# Allegro board RK_NVR_DEMO1_RK3588_LP4XD200P232SD8_V21_20211228_final_lint.brd (continued)
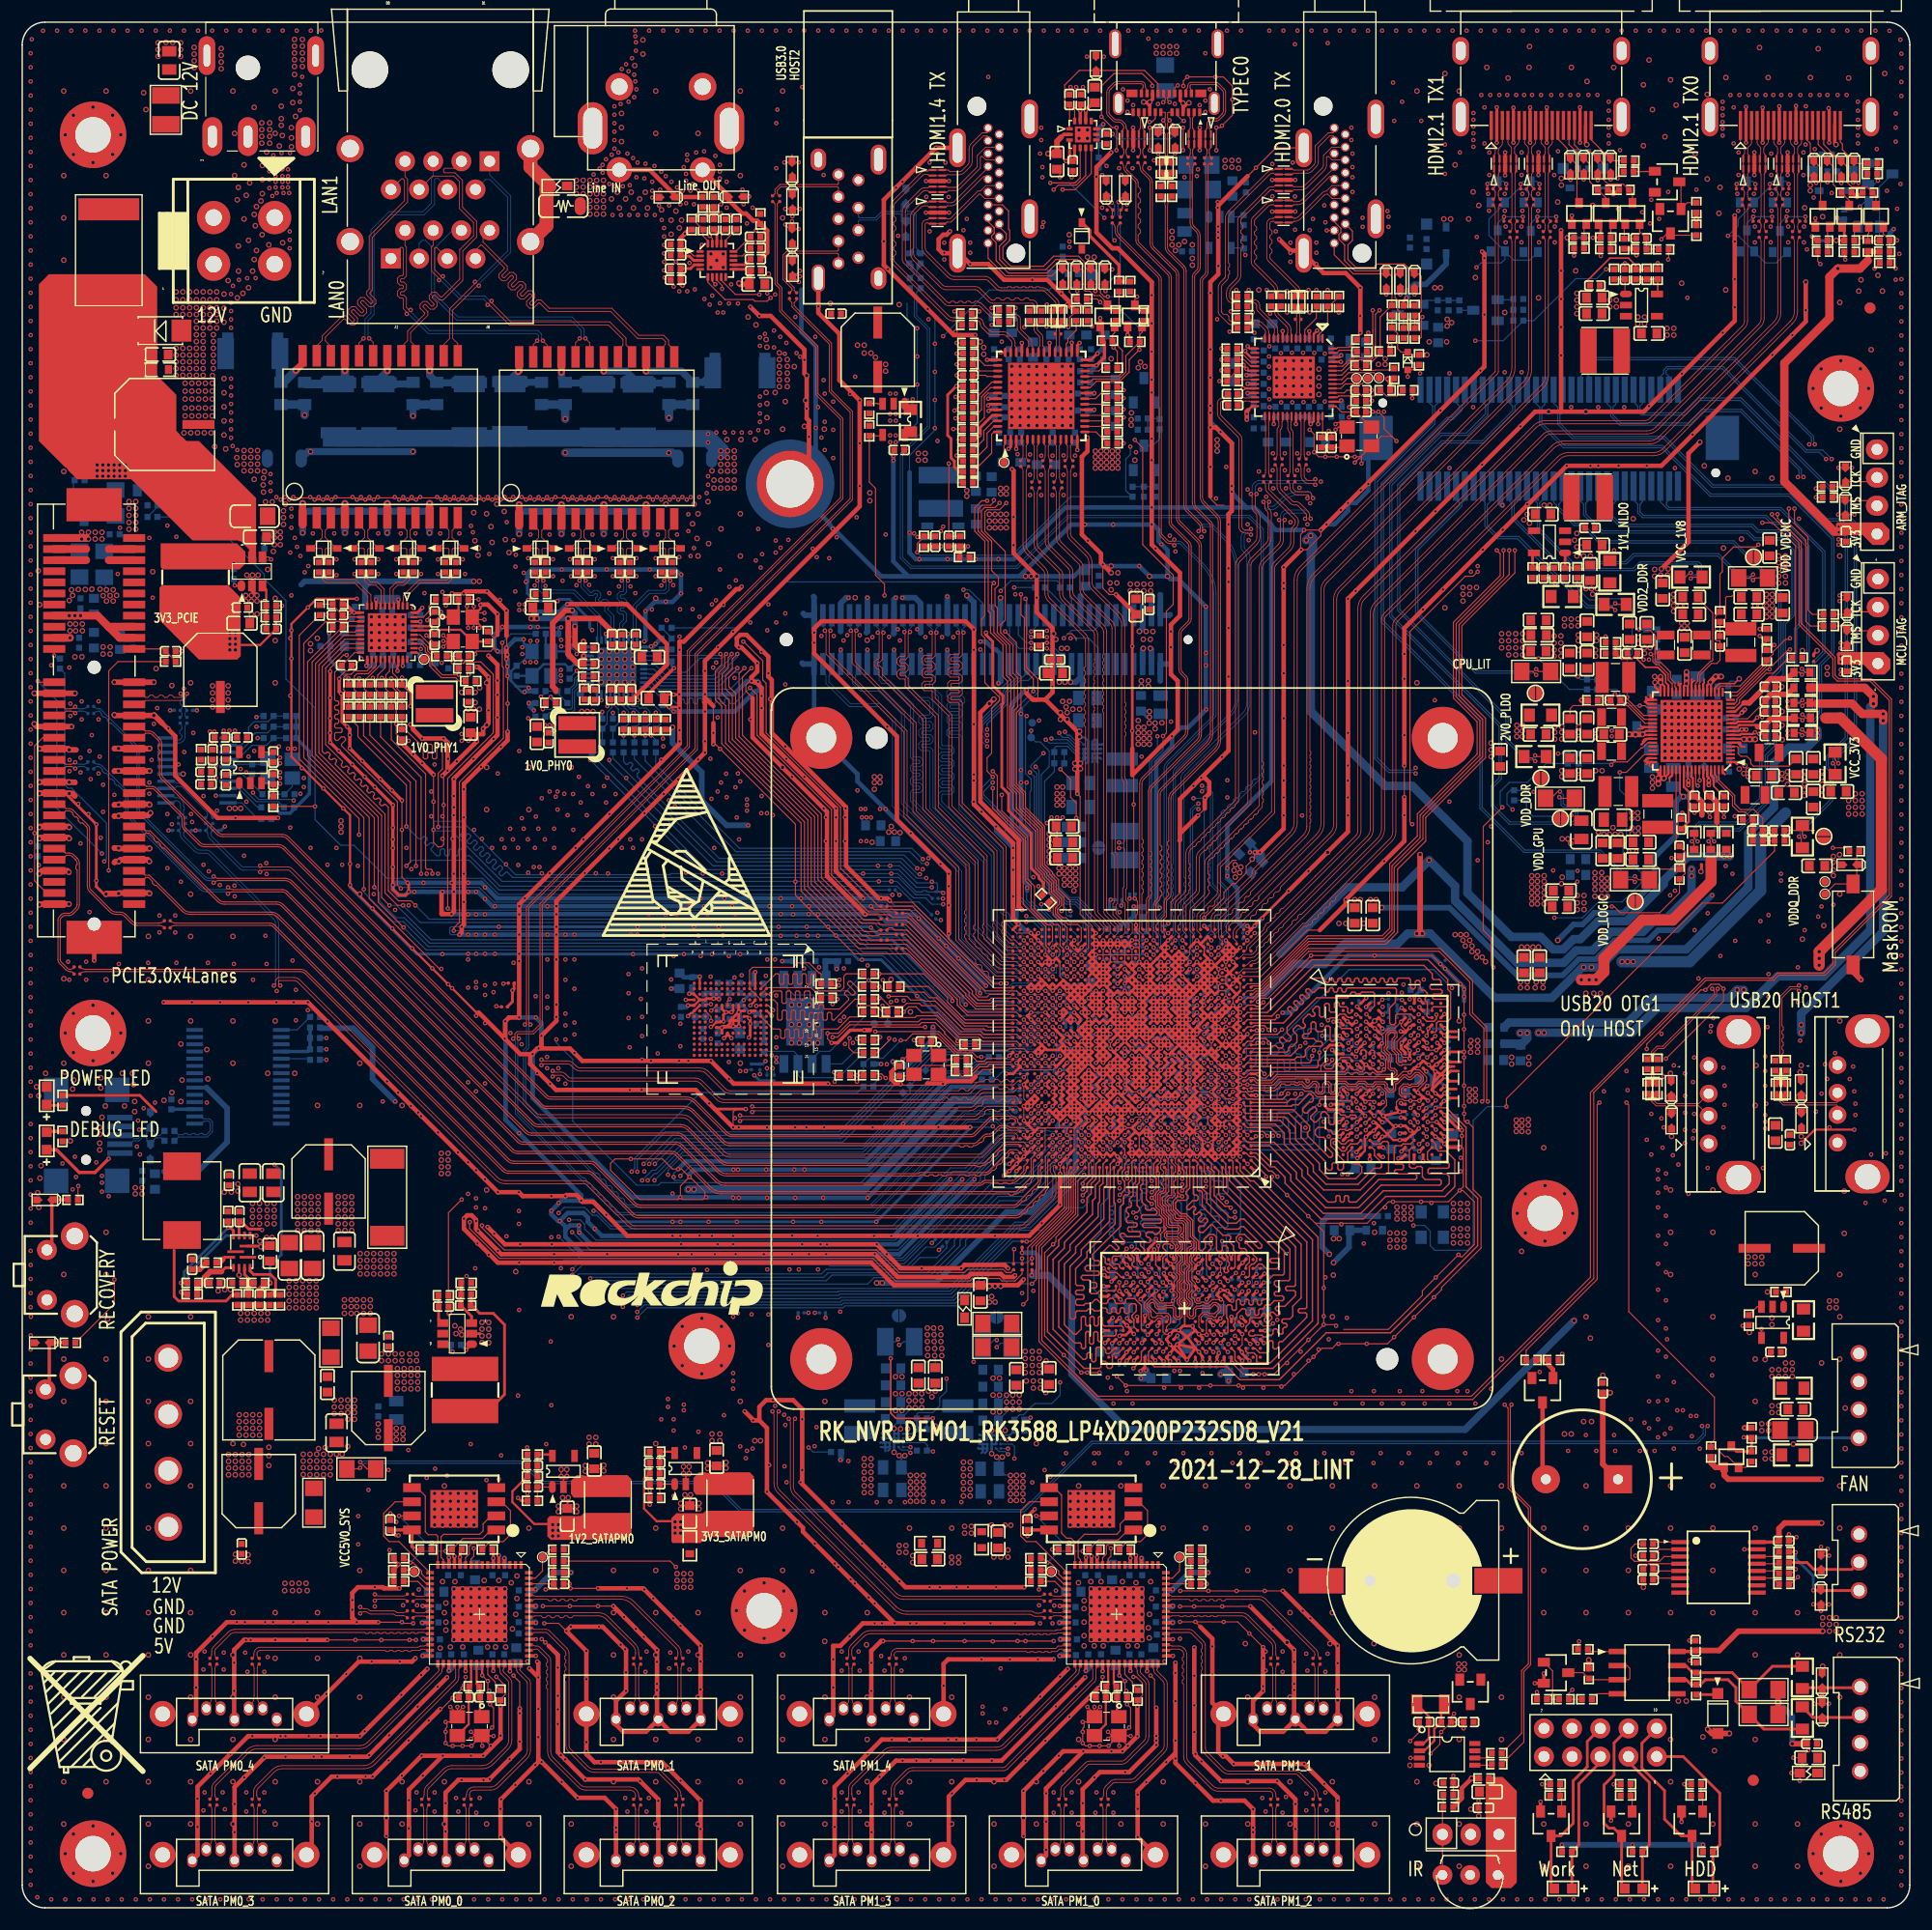
[diagram p0: board, top side]
## Routing (per net, layer and track width the routed paths; a pad name or vN(x,y) marks a point on that pad's centre or on a via; arc(x,y) is an arc through that point) (continued)
105.83,82.65 ; 105.2,82.66 105.52,82.34 ; 105.2,82.66 104.87,82.34 ; v1(104.19,52.06) 104.57,52.44 v1(105.46,52.44) 105.46,52.28 U3801.K9 ; v1(104.19,52.06) 104.16,52.04 U3801.N9 v1(103.43,51.71) ; U1000.R5 v1(107.8,76.16) U1000.T6 107.47,76.49 ; 100.32,71.94 100,71.62 v1(100,71.61) U1000.J18 ; 100.32,71.94 100,72.26 ; U1000.W18 v1(99.35,78.11) ; U1000.N26 94.47,74.54 94.8,74.21 ; U1000.N26 94.47,74.54 v1(94.8,74.86) ; v1(103.43,51.71) 103.42,51.7 ; 104.55,85.91 U1000.AK11 ; 102.92,76.49 103.25,76.16 102.92,75.84 U1000.R13 v1(102.6,75.51) 102.27,75.19 U1000.P14 102.6,74.86 U1000.N14 ; 102.92,76.49 U1000.T13 ; v1(100.65,79.41) 100.97,79.09 ; v1(97.4,74.86) 97.07,74.54 U1000.N22 96.75,74.21 U1000.M22 v1(96.75,73.56) U1000.L22 97.72,72.59 ; v1(97.4,74.86) U1000.P21 ; v1(110.58,49.31) U3801.C12 109.89,50 v1(109.89,50.1) 109.89,50.15 U3801.D11 ; 106.17,75.84 U1000.R8 v1(106.5,75.51) 106.17,75.19 U1000.P8 ; 106.17,75.84 105.85,75.51 ; U2000.2 21.44,59.65 v2(21.51,59.58) 22.2,59.58 C2010.2 ; U1000.H3 109.75,70.96 U1000.G3 ; U1000.H3 109.1,70.96 U1000.G3 ; U1000.H3 v1(109.75,71.61) 109.42,71.94 U1000.J3 ; U1000.H3 v1(109.1,71.61) ; U1000.F16 v1(101.3,69.66) ; v1(101.3,69.66) 101.62,69.34 ; U3801.K11 v1(104.95,49.4) ; U3801.K11 v1(106.03,50.11) U3801.J12 v1(106.35,49.21) ; U1000.K9 105.52,72.59 ; U1000.K9 105.85,72.26 ; U1000.K9 105.2,72.26 ; 105.52,72.59 105.85,72.91 ; U1000.AF25 94.8,82.66 ; U1000.AF25 95.45,83.31 95.77,82.99 ; U1000.AF25 94.8,83.31 94.47,82.99 ; 94.8,82.66 94.47,82.99 ; 94.8,82.66 U1000.AE26 ; U1000.P11 103.9,74.86 U1000.N11 ; U1000.P11 v1(104.55,74.86) 104.22,74.54 U1000.N11 ; v1(99.35,80.06) U1000.AA19 ; v1(99.35,80.06) 99.02,80.39 ; v1(99.35,80.06) 99.67,79.74 U1000.AA18 ; U1000.AA19 v1(99.35,79.41) ; U1000.AA19 v1(98.7,79.41) ; U1000.AA19 99.02,79.74 v1(98.7,80.06) ; 100.38,82.28 100.63,82.03 v1(100.63,82.01) ; 100.38,82.28 100,82.66 ; 100.38,82.28 100.38,82.4 100.64,82.66 ; U1000.A14 102.27,66.29 102.33,66.23 v1(102.33,66.21) ; U1000.V5 U1000.W6 ; U1000.W6 v1(107.8,78.76) ; U1000.W6 107.47,78.44 ; U1000.V25 v1(94.8,78.11) ; U1000.V25 95.12,77.79 v1(95.45,78.11) ; U1000.V25 95.77,77.14 U1000.U24 ; v1(104.26,66.28) 104.22,66.32 U1000.A11 ; U1000.AB27 v1(93.5,80.71) 93.82,81.04 U1000.AC27 94.15,80.71 U1000.AB27 ; U3800.A10 v1(125.9,81.86) ; v1(100.1,158.43) 100.11,158.45 ED2501.8 ED2501.3 100.11,160.46 v1(100.1,160.47) ; 91.54,70.3 U1000.F31 ; U1000.F31 v1(90.9,69.66) 90.57,69.34 ; v1(107.65,49.21) U3801.G12 v1(107.82,50) ; U3800.N11 127.16,74.44 ; U3800.N11 v1(127.35,73.41) U3800.P12 v1(128.16,73.43) ; U3800.N11 v1(128.19,74.92) ; 127.16,74.44 128.56,75.84 129,75.84 ; 127.16,74.44 127.34,75.37 v1(127.32,75.39) ; v1(94.8,76.16) U1000.T25 ; v1(94.8,76.16) 94.47,75.84 U1000.R26 ; v1(94.8,76.16) 94.47,76.49 U1000.T26 ; v1(94.8,76.16) 95.12,75.84 U1000.R25 ; U1000.T25 95.45,76.16 ; U1000.T25 95.12,76.5 94.8,76.82 ; v1(121.74,70.81) 121.77,70.81 121.79,70.78 121.93,70.78 122.22,70.49 v1(121.79,70.05) U3800.W4 v1(121.07,69.49) ; v1(156.07,156.2) ED5000.3 ED5000.8 v1(156.07,158.24) ; U1000.AG21 v1(97.4,83.96) ; v1(99.35,74.86) 99.02,75.19 U1000.P19 99.02,75.19 ; v1(99.35,74.86) 99.67,74.54 U1000.N18 v1(99.35,74.21) U1000.M18 ; U1000.AE20 98.37,82.34 98.7,82.66 U1000.AE19 v1(99.35,82.66) U1000.AE18 100,82.66 ; U1000.AE20 98.05,82.66 ; U1000.AE20 v1(98.05,82.01) ; 122.22,77.64 v1(122.52,77.93) ; U1000.AJ8 v1(105.85,85.26) U1000.AJ9 ; U1000.AJ8 106.5,84.61 ; U1000.H19 98.7,70.96 U1000.G19 ; U1000.H19 v1(99.35,71.61) ; U1000.H19 99.02,71.29 v1(99.35,70.96) 99.02,70.64 U1000.G19 ; 95.46,75.52 95.12,75.19 U1000.P25 ; 95.46,75.52 95.44,75.52 U1000.R25 ; 95.46,75.52 U1000.R24 ; v1(128.19,74.92) 128.7,75.43 129.41,75.43 ; v1(128.19,74.92) 127.38,75.4 127.33,75.38 v1(127.32,75.39) ; U1000.AL3 v1(109.1,85.91) ; U1000.AL3 109.42,86.24 v1(109.75,86.56) ; v1(109.1,85.91) U1000.AK4 ; v1(109.1,85.91) U1000.AL4 ; 100.3,84.91 v1(100.65,85.26) U1000.AJ16 ; 100.3,84.91 99.97,85.24 U1000.AJ18 ; 100.3,84.91 100,84.61 ; U3801.W4 100.12,56.31 v1(100.12,56.38) ; 105.86,76.82 105.53,76.49 U1000.T9 ; 105.86,76.82 v1(106.17,77.13) ; 105.86,76.82 105.53,77.15 ; U1000.M20 98.37,73.89 v1(98.7,73.56) ; U1000.M20 98.05,73.56 ; 102.6,85.91 U1000.AK14 102.27,85.59 101.95,85.26 U1000.AJ15 ; 102.6,85.91 U1000.AL13 ; U3800.E12 v1(128.14,78.63) ; v1(128.14,78.63) 128.28,78.48 129.21,78.48 ; v1(128.14,78.63) 128.5,78.99 129.21,78.99 ; U1000.AH11 103.9,83.96 ; U1000.P25 v1(94.8,74.86) ; U1000.P25 95.12,75.19 v1(94.8,75.51) ; v1(94.8,74.86) 95.12,74.54 U1000.N25 94.8,74.21 ; U1000.AL13 102.92,86.24 ; v1(158.32,159.12) J5000.8 v1(158.32,162.39) ; v1(98.05,82.01) 97.72,81.69 U1000.AD21 v1(98.05,81.36) ; v1(98.05,82.01) U1000.AE21 98.05,82.66 ; v1(98.05,82.01) 98.37,81.69 U1000.AD20 ; 97.4,72.26 U1000.J22 ; 97.4,72.26 97.72,71.94 U1000.J21 ; 97.4,72.26 97.07,72.59 U1000.K22 ; 97.4,72.26 U1000.K21 ; U1000.J22 96.75,72.26 ; U1000.J21 98.05,72.26 ; v1(94.8,71.61) 94.47,71.29 U1000.H26 ; v1(94.8,71.61) U1000.J25 ; v1(94.8,71.61) U1000.H25 ; 108.45,85.91 U1000.AL5 v1(108.45,86.56) ; 108.45,85.91 108.12,85.59 U1000.AK5 108.12,85.59 ; 108.45,85.91 U1000.AK4 ; 92.2,77.46 U1000.U30 91.87,77.14 ; 92.2,77.46 92.32,77.34 93.37,77.34 93.49,77.46 ; 92.2,77.46 U1000.V30 ; U1000.AD25 95.12,81.69 94.8,82.01 ; U1000.P21 97.72,75.19 ; 97.72,75.19 98.05,75.51 ; 94.8,76.82 v1(95.45,77.47) ; 94.8,76.82 94.47,76.49 U1000.T26 ; 94.8,76.82 94.48,77.14 ; v1(96.1,76.16) U1000.T24 ; v1(96.1,76.16) U1000.R24 ; v1(96.1,76.16) 96.42,76.49 ; v1(96.1,76.16) U1000.R23 v1(96.75,75.51) ; U1000.T24 95.77,76.49 95.45,76.16 ; U3800.J3 120.95,76.01 v1(121.07,76.01) 121.1,76.01 U3800.K4 ; v1(123.75,70.48) v1(124.2,70.49) U3800.V8 v1(125.07,70.07) 125.1,70.04 125.22,70.04 U3800.W9 ; v1(101.95,69.66) 101.62,69.34 101.62,69.34 ; v1(101.95,69.66) U1000.F14 102.27,69.99 v1(102.6,69.66) U1000.F13 102.92,69.99 v1(103.25,69.66) 103.57,69.34 U1000.E12 103.57,69.34 v1(103.9,69.01) 103.57,68.69 v1(103.9,68.36) ; 107.15,78.76 107.47,79.09 ; 107.15,78.76 U1000.W7 v1(107.15,78.11) 107.47,78.44 ; 107.15,78.76 107.47,78.44 ; 107.47,79.09 v1(107.8,79.41) ; 107.47,79.09 U1000.Y6 ; v1(98.7,69.66) 99.02,69.99 ; v1(98.7,69.66) 98.37,69.34 ; v1(98.7,69.66) 98.37,69.99 U1000.F20 ; 99.02,69.99 U1000.F19 ; 99.02,69.99 98.7,70.31 ; 99.02,69.99 v1(99.35,70.31) U1000.G19 ; 63.55,78.76 63.55,78.71 v1(63.24,78.4) ; 63.55,78.76 U4000.H10 ; 63.55,78.76 v1(63.9,78.4) ; v1(114.7,152.91) ED5101.8 ED5101.3 v1(112.62,152.91) ; U3801.D2 109.6,57.79 v1(109.97,58.15) U3801.C1 ; v1(104.55,78.11) 104.87,78.44 ; v1(104.55,78.11) 104.87,77.79 ; v1(104.55,78.11) U1000.W11 ; 104.87,78.44 104.55,78.76 ; 104.87,78.44 U1000.W10 ; v1(33.4,92.19) 33.4,91.82 33.94,91.28 34.52,91.28 v1(34.82,91.58) 34.82,92.3 v1(34.72,92.4) ; U3801.J3 106.64,56.56 v1(106.66,56.56) ; 107.8,82.66 U1000.AE6 107.47,82.34 107.15,82.66 ; 105.53,77.15 105.19,76.82 ; U3800.N4 v1(121.06,73.37) U3800.P3 v1(121.03,72.66) ; U1000.H26 v1(94.8,70.96) ; v1(94.8,70.96) U1000.H25 ; v1(94.8,70.96) U1000.G25 ; 106.5,84.61 U1000.AH8 106.5,83.96 ; 97.07,69.34 97.4,69.66 ; 97.07,69.34 v1(96.75,69.01) ; 97.07,69.34 U1000.E22 v1(97.4,69.01) ; 104.87,77.79 v1(105.2,78.11) ; 104.87,77.79 104.55,77.46 ; U1000.AE3 109.75,82.67 ; U1000.AE3 109.1,82.01 ; 96.75,72.26 U1000.K22 ; U1000.K22 97.07,72.59 v1(97.4,72.91) ; 103.9,71.61 U1000.J12 103.25,71.61 ; 103.9,71.61 U1000.H12 ; 95.77,79.74 95.45,79.41 ; U1000.W19 v1(99.35,78.11) ; v1(98.88,49.31) U3801.Y12 v1(99.5,50.09) U3801.W11 ; v1(107.8,78.76) 108.12,79.09 U1000.Y5 ; v1(107.8,78.76) U1000.Y6 ; U1000.K8 v1(106.5,72.26) ; U1000.K8 105.85,72.26 ; U1000.K8 106.17,72.59 105.85,72.91 ; v1(90.9,72.26) U1000.J32 v1(90.25,72.26) U1000.K32 ; v1(90.9,72.26) U1000.K31 91.22,72.59 ; v1(90.9,72.26) U1000.K32 ; 104.55,78.76 U1000.W11 ; 104.55,78.76 U1000.Y11 ; 101.3,77.46 101.62,77.14 U1000.U15 ; 101.3,77.46 101.62,77.78 U1000.V15 ; 101.3,77.46 100.98,77.14 U1000.U16 ; U1000.W10 104.87,78.44 v1(105.2,78.11) ; U1000.B6 107.47,67.39 ; 107.47,67.39 v1(107.8,67.71) ; 107.47,67.39 107.15,67.71 ; 129.21,73.8 128.54,73.8 v1(128.16,73.43) ; 95.45,76.16 U1000.R25 ; 95.45,76.16 U1000.R24 ; 94.8,72.91 U1000.L25 v1(94.8,73.56) ; 94.8,72.91 94.8,72.91 95.12,72.59 ; v1(101.95,68.36) 101.62,68.69 v1(101.95,69.01) 101.62,69.34 ; v1(101.95,68.36) U1000.C14 ; U3801.G8 v1(107.95,53.13) ; U1000.C28 v1(92.85,67.71) ; 106.35,68.45 106.41,68.45 U1000.C7 ; 106.35,68.45 106.35,68.21 U1000.C8 ; U1000.W16 100.97,78.44 v1(101.3,78.11) ; U1000.AF24 95.77,82.99 ; U1000.AF24 96.1,82.66 ; U1000.AP1 110.72,88.19 v1(111.05,88.51) 111.05,88.6 v1(114.1,91.65) ; U1000.AP1 v1(110.4,87.86) ; U1000.AP1 v1(110.4,88.51) ; U1000.AK11 103.9,85.26 ; U1000.H6 107.8,70.96 ; U1000.H6 v1(107.8,71.61) ; U1000.H6 107.14,70.95 107.46,70.64 U1000.G6 ; 107.8,70.96 U1000.G6 ; U1000.AD20 v1(98.05,81.36) ; U1000.AD20 98.37,81.69 v1(98.7,81.36) U1000.AC20 ; v1(98.05,81.36) U1000.AC20 ; v1(98.05,81.36) 97.72,81.04 U1000.AC21 97.72,81.04 98.05,80.71 ; v1(96.1,77.46) 96.42,77.79 ; v1(96.1,77.46) 95.77,77.14 U1000.U24 ; v1(96.1,77.46) 96.42,77.14 ; 95.45,72.26 95.45,72.26 95.12,72.59 ; 95.45,72.26 U1000.J25 ; U3801.T3 101.42,56.45 v1(101.42,56.43) ; U1000.G19 98.7,70.31 ; U1000.J18 v1(99.35,71.61) ; U1000.J18 v1(99.35,72.26) ; U1000.J18 100,72.26 ; U1000.W24 v1(95.45,78.11) ; U1000.W24 95.77,78.44 v1(96.1,78.11) ; U1000.W24 95.77,78.44 95.45,78.76 ; U1000.W24 96.1,78.76 ; 91.87,77.14 91.55,77.46 ; U1000.AG3 v1(109.1,83.96) U1000.AH4 ; U1000.AG3 109.75,83.31 ; U1000.AG3 v1(109.75,83.96) ; 96.42,82.99 96.1,82.66 ; 96.42,82.99 96.1,83.31 95.77,82.99 ; 96.42,82.99 96.74,83.3 ; 96.1,82.66 U1000.AE24 ; U1000.U15 101.31,76.82 101.29,76.82 ; U1000.U15 101.94,77.46 v1(101.94,77.46) 101.94,77.47 U1000.V15 ; U1000.W9 105.52,78.44 v1(105.85,78.11) ; U1000.W9 v1(105.2,78.11) ; U1000.W9 v1(105.85,78.76) ; U1000.AJ15 101.95,84.61 U1000.AH15 ; U1000.AJ15 v1(101.3,85.26) U1000.AJ16 ; U1000.K32 90.57,72.59 90.9,72.91 ; C4700.2 100.02,116.26 v1(100.02,113.72) v1(100.02,106.1) 100.02,104.49 ; U1000.F20 98.37,69.99 98.7,70.31 ; U1000.F20 v1(98.05,69.66) ; v1(125.02,76.55) 125.02,77.27 v1(125.01,77.27) 125.01,77.29 124.66,77.64 U3800.G8 125.02,78.04 125.02,78.09 v1(125.02,78.09) ; 105.85,74.86 U1000.P9 105.52,75.19 105.85,75.51 ; 105.85,74.86 U1000.P8 ; 105.85,74.86 U1000.N9 v1(105.85,74.21) U1000.M9 105.85,73.56 105.53,73.24 U1000.L9 105.52,73.24 ; v1(129.92,77.16) 128.64,77.16 v1(128.15,76.66) ; U1000.AL23 v1(96.75,85.91) U1000.AK23 ; v1(128.15,76.66) 128.57,76.24 129.61,76.24 ; v1(109.75,78.76) U1000.W2 ; v1(109.75,78.76) U1000.W3 ; v1(109.75,78.76) U1000.Y3 109.42,79.09 ; U1000.W2 v1(109.75,78.11) ; U1000.W2 v1(110.4,78.76) ; v1(132.87,162.3) J5001.2 v1(132.87,159.12) ; 102.27,68.04 v1(102.6,68.36) U1000.C13 ; 102.27,68.04 U1000.C14 ; 102.27,68.04 v1(102.6,67.71) U1000.C13 ; U3800.G3 v1(120.95,77.97) ; U3801.D4 v1(109.93,56.36) ; U3800.N9 125.68,73.48 v1(125.76,73.48) U3800.P10 ; U3800.Y1 119.35,69.51 119.35,69.51 v1(119.43,69.59) 119.68,69.84 U3800.W2 ; 91.55,77.46 91.87,77.78 U1000.V30 ; 100.97,68.04 100.65,67.71 U1000.C17 ; 100.97,68.04 100.65,68.36 U1000.C17 ; v1(103.9,79.41) U1000.Y11 ; 109.09,77.47 109.42,77.79 U1000.V3 ; 109.09,77.47 109.42,77.14 ; U1000.AD16 100.97,81.69 ; U1000.AD16 100.97,81.69 ; U1000.AF14 v1(102.6,82.66) ; U1000.AF14 v1(102.6,83.31) U1000.AF13 ; v1(102.6,82.66) U1000.AF13 ; U1000.W3 v1(109.75,78.11) ; U1000.W3 v1(109.1,78.11) ; v1(109.75,78.11) U1000.V3 ; 104.22,82.99 U1000.AF11 103.9,83.31 ; 104.22,82.99 103.9,82.66 ; v1(105.2,78.11) 105.52,77.79 ; U1000.AG30 92.2,83.31 ; U1000.AG30 v1(91.55,83.96) ; U1000.AG30 91.55,83.31 ; 92.2,83.31 91.87,82.99 U1000.AF30 ; ED5004.2 v1(162.65,155.54) ; v1(164.97,155.54) 164.97,155.59 165.06,155.68 ED5002.2 ; U1000.AM24 v1(95.45,86.56) U1000.AL25 v1(94.8,86.56) U1000.AM26 v1(94.8,87.21) ; U1000.U19 99.02,77.14 v1(99.35,76.81) ; U1000.AC20 v1(98.7,80.71) ; U1000.AC20 98.05,80.71 ; v1(120.3,67.57) U3800.AB3 ; 94.48,77.14 94.48,77.14 ; v1(99.35,78.11) U1000.V18 99.68,77.79 v1(100,77.46) 100.32,77.14 U1000.U17 100.33,77.14 100.65,77.46 100.97,77.14 U1000.U16 ; 104.55,77.46 104.87,77.14 ; 100,73.56 99.67,73.89 U1000.M18 ; U1000.AM28 v1(92.85,86.56) ; 105.83,82.65 U1000.AF8 ; 105.83,82.65 105.52,82.34 ; U1000.AF8 106.17,82.99 106.5,82.66 ; U1000.AF8 v1(105.85,83.31) ; U1000.AF8 106.5,83.31 ; 103.9,83.96 U1000.AG12 ; U1000.AH4 v1(108.45,84.61) ; U1000.AH4 108.45,83.96 ; U1000.AH4 109.42,84.94 U1000.AJ3 v1(109.1,85.26) U1000.AK4 ; v1(98.7,79.41) 99.02,79.09 U1000.Y19 ; v1(98.7,79.41) 98.37,79.74 U1000.AA20 ; 106.17,83.63 106.49,83.31 106.5,83.31 ; 106.17,83.63 106.5,83.96 ; 106.17,83.63 v1(105.85,83.31) ; 105.85,79.41 106.17,79.74 ; 105.85,79.41 U1000.Y8 v1(105.85,78.76) ; 106.17,79.74 U1000.AA8 ; U3800.P10 v1(126.67,72.76) ; U3800.P10 v1(125.89,72.75) ; 101.29,76.82 101.62,76.49 U1000.T15 101.62,76.49 101.95,76.16 101.62,75.84 U1000.R15 101.62,75.84 v1(101.95,75.51) ; 101.29,76.82 U1000.U16 ; U1000.G25 94.79,70.3 ; U1000.G25 95.45,70.96 U1000.H25 ; U3800.W9 v1(125.83,70.24) ; U3800.W9 U3800.Y8 124.6,69.21 v1(124.13,69.21) ; 93.17,82.99 U1000.AF28 93.5,83.31 ; U3801.J1 106.35,58.42 v1(105.99,58.05) 105.7,57.77 U3801.K2 ; v1(105.85,78.11) 105.52,77.79 ; 106.17,77.13 106.5,77.46 ; 106.17,77.13 v1(106.17,77.13) ; U1000.J25 v1(94.8,72.26) ; U1000.C8 v1(105.85,67.71) U1000.C9 105.52,68.04 ; U1000.C8 106.5,67.71 U1000.C7 ; U1000.J6 v1(107.8,71.61) ; U1000.J6 107.47,71.94 v1(107.8,72.26) ; v1(107.8,71.61) 108.12,71.94 ; 104.87,80.39 v1(104.55,80.06) ; 104.87,80.39 104.55,80.71 v1(104.55,80.71) ; 104.87,80.39 U1000.AB10 ; v1(104.55,80.06) 104.87,79.74 ; v1(104.55,80.06) U1000.AB11 ; 98.05,72.91 97.72,73.24 U1000.L21 98.05,73.56 ; 98.05,72.91 U1000.L20 ; 98.05,72.91 97.72,72.59 ; v1(93.5,67.06) U1000.B27 93.82,67.39 v1(94.15,67.71) U1000.C26 94.77,68.34 ; v1(134.36,162.28) J5001.5 v1(134.36,159.12) ; U1000.AF12 103.9,83.31 ; U1000.AF12 103.57,82.99 103.9,82.66 ; U1000.AF12 v1(103.25,83.31) ; U1000.AM8 v1(105.85,87.21) U1000.AM9 105.2,86.57 ; U1000.AM8 106.17,86.89 U1000.AN7 v1(107.15,87.21) ; U1000.AM8 106.5,86.56 ; 109.09,68.36 109.42,68.04 U1000.C3 ; 109.09,68.36 U1000.D3 ; U3801.E5 108.6,55.59 v1(108.6,55.61) 107.98,55.7 v1(107.97,55.69) 107.98,55.67 U3801.G5 108,54.89 v1(108,54.84) ; 98.05,80.71 98.37,80.39 ; 108.12,85.59 v1(108.45,85.26) U1000.AK4 ; 108.45,80.71 U1000.AC5 ; v1(98.7,80.71) 99.02,80.39 ; v1(98.7,80.71) 98.37,80.39 ; 99.02,80.39 U1000.AB19 v1(98.7,80.06) ; 95.12,72.59 v1(94.8,72.26) ; v1(107.15,69.66) 107.47,69.34 ; v1(107.15,69.66) 106.82,69.99 U1000.F7 ; v1(107.15,69.66) 107.47,69.98 ; 107.47,69.34 U1000.E6 107.47,69.34 v1(107.8,69.66) 107.6,69.86 107.59,69.86 107.47,69.98 ; 107.47,69.34 v1(107.15,69.01) 107.24,68.92 107.24,68.27 107.47,68.04 ; v1(124.2,79.01) 124.28,78.94 U3800.E8 v1(125.03,79.35) 125.27,79.59 U3800.D9 ; v1(94.8,73.56) U1000.M25 94.8,74.21 ; 98.37,80.39 v1(98.7,80.06) ; 105.52,68.04 105.2,67.71 U1000.C10 ; 105.52,68.04 105.2,68.36 U1000.C10 ; U3801.K9 v1(106.03,51.71) 106.35,51.39 U3801.J10 ; U1000.J5 v1(108.45,71.61) U1000.J4 ; U1000.J5 108.12,71.94 ; U1000.J5 108.45,72.26 U1000.J4 ; 100.96,82.34 100.97,82.34 ; 100.96,82.34 100.64,82.66 ; 100.96,82.34 v1(100.63,82.01) ; 100.97,82.34 U1000.AE16 ; 100.97,82.34 101.3,82.01 ; 100.97,82.34 101.3,82.66 ; v1(107.15,83.31) U1000.AF7 ; U1000.AF7 106.82,82.99 106.5,82.66 ; U1000.AF7 106.5,83.31 ; U1000.AF7 107.15,82.66 ; 96.42,77.79 v1(96.1,78.11) ; 96.42,77.79 U1000.V23 ; 3.86,100.48 v1(6.68,97.67) v1(6.68,92.59) 6.68,92.06 7.48,91.27 8.52,91.27 v2(8.68,91.43) ; v1(107.15,80.06) U1000.AA6 ; v1(107.15,80.06) 107.47,80.39 ; U1000.AA6 v1(107.8,79.41) ; U1000.AA6 107.15,79.41 107.47,79.09 U1000.Y6 ; U1000.N14 v1(101.95,74.86) ; U1000.N14 102.6,74.21 U1000.M14 ; 93.49,77.46 U1000.V27 ; 93.49,77.46 93.82,77.13 ; U3801.T1 101.8,59.07 102,59.28 v1(102,59.33) ; v1(109.1,78.11) U1000.V3 ; U1000.V3 109.75,77.46 109.42,77.14 ; 98.37,69.34 U1000.E20 ; 98.37,69.34 v1(98.05,69.66) ; U1000.AG12 103.9,83.31 ; U1000.AG12 v1(103.25,83.31) ; v1(106.1,160.47) 106.11,160.47 ED2500.3 ED2500.8 106.11,158.44 v1(106.1,158.43) ; U1000.AC5 107.81,80.72 ; U1000.AF31 90.9,83.31 U1000.AF32 v1(90.9,82.66) U1000.AF31 ; U1000.AF31 v1(91.55,82.66) U1000.AF30 ; U1000.AF31 91.22,82.99 91.55,83.31 ; v1(127.5,77.96) 127.5,77.96 U3800.G12 v1(127.4,77.31) ; 107.81,80.72 U1000.AB6 ; v1(128.16,73.43) 128.6,72.99 129.31,72.99 ; 98.05,72.26 97.72,72.59 U1000.K21 ; v1(107.8,67.71) U1000.C6 107.47,68.04 ; U3801.T12 v1(102.1,49.34) ; 94.48,77.14 94.47,77.14 v1(94.15,77.46) ; v1(104.55,81.36) 104.55,81.36 ; v1(104.55,81.36) 104.55,81.36 104.87,81.04 ; U1000.R19 99.35,76.16 ; 122.22,78.94 v1(121.88,79.28) U3800.D4 ; U1000.C13 102.92,68.04 v1(103.25,67.71) U1000.C12 103.57,68.04 ; v1(104.55,73.56) 104.22,73.89 U1000.M11 v1(104.55,74.21) U1000.N11 ; 109.42,71.94 U1000.J3 ; 109.42,71.94 v1(109.75,72.26) 109.42,72.59 ; 109.42,71.94 v1(109.1,72.26) ; U1000.J3 v1(109.1,71.61) ; 99.35,76.16 U1000.T19 ; 99.35,76.16 U1000.T18 ; v1(101.95,74.86) 101.62,75.19 U1000.P15 101.62,75.19 v1(101.95,75.51) ; v1(101.95,74.86) 102.27,75.19 v1(101.95,75.51) ; 98.05,75.51 U1000.P20 ; v1(59.21,109.39) 59.18,109.36 v1(58.7,109.36) 58.17,109.36 C6709.2 57.85,108.59 58.19,108.25 v1(58.29,108.25) 59.13,108.25 v1(59.23,108.15) ; 108.12,71.94 v1(107.8,72.26) ; 105.52,71.94 106.17,71.29 105.84,70.96 ; 105.52,71.94 105.2,72.26 ; 105.52,71.94 105.85,72.26 ; 105.85,75.51 U1000.P8 ; U1000.J4 108.77,71.94 v1(109.1,71.61) ; U1000.J4 v1(109.1,72.26) ; v1(89.78,88.7) 89.27,88.19 U1000.AP34 ; U3800.E1 119.3,78.66 v1(119.35,78.66) ; U3801.V12 100.18,49.31 v1(100.18,49.31) ; ED5008.2 v1(143.11,155.8) ; v1(107.8,70.31) 107.47,69.98 ; v1(107.8,70.31) 107.47,70.64 U1000.G6 ; U3801.AB10 v1(97.58,50.91) ; v1(112.62,155.76) ED5100.3 ED5100.8 v1(114.7,155.76) ; 100.32,68.04 v1(100,67.71) U1000.C18 v1(100,68.36) ; 100.32,68.04 v1(100,68.36) ; 100.32,68.04 U1000.C17 ; v1(156.82,162.28) J5000.5 v1(156.82,159.12) ; v1(108.91,58.89) 108.95,58.85 U3801.E1 ; 100,72.26 U1000.K18 ; U1000.K18 v1(99.35,72.26) ; U1000.K18 99.02,73.24 U1000.L19 ; U1000.AM30 v1(91.55,87.21) U1000.AN31 ; U1000.C11 v1(103.9,67.71) 103.57,68.04 ; U1000.C11 v1(103.9,68.36) ; U1000.C11 104.22,68.04 v1(104.55,67.71) 104.87,68.04 U1000.C10 ; 95.45,78.76 95.12,79.09 95.12,79.09 95.45,79.41 ; U1000.Y5 v1(108.45,78.76) ; U1000.Y5 v1(108.45,79.41) ; U1000.Y5 v1(107.8,79.41) ; U1000.Y19 v1(99.35,79.41) ; v1(161.64,155.49) 161.45,155.69 ED5005.2 ; v1(99.35,79.41) 99.67,79.09 ; v1(99.35,79.41) U1000.AA18 ; 107.47,80.39 U1000.AB6 ; 99.35,85.26 U1000.AJ18 ; U1000.AJ18 100,84.61 ; 105.2,79.41 U1000.AA10 104.87,79.74 ; 93.82,77.13 v1(94.15,77.46) ; 91.22,72.59 91.55,72.91 U1000.L31 90.9,72.91 ; 91.22,72.59 90.9,72.91 ; 105.52,77.79 U1000.V9 ; U1000.AA3 109.1,79.41 109.42,79.09 ; U1000.AA3 109.75,79.41 109.42,79.09 ; v1(94.15,77.46) 93.82,77.79 U1000.V27 ; U3801.AB5 97.78,55.11 v1(97.2,55.11) ; v1(92.2,85.26) 92.52,84.94 v1(92.85,85.26) ; v1(92.2,85.26) U1000.AK29 ; 101.3,82.01 100.97,81.69 100.97,81.69 ; 101.3,82.01 U1000.AE15 ; v1(100.39,58.98) 100.49,58.88 100.49,58.45 U3801.V1 100.84,58.08 v1(100.84,58.08) ; 94.47,82.99 v1(94.15,82.66) ; U1000.U24 96.1,76.81 ; v1(96.75,68.36) 96.42,68.04 U1000.C23 ; v1(96.75,68.36) U1000.D23 96.42,68.69 ; v1(129.72,70.1) 129.51,70.1 v1(128.15,71.46) U3800.T12 ; 104.55,80.71 104.22,80.39 ; 104.55,80.71 U1000.AC11 ; 104.55,80.71 v1(104.55,80.71) ; 104.22,80.39 U1000.AB11 ; 104.22,80.39 103.9,80.71 ; 104.55,81.36 104.22,81.04 U1000.AC11 ; 98.05,73.56 U1000.L20 ; U1000.L20 v1(98.7,73.56) ; U1000.AE26 v1(94.15,82.66) ; U1000.AE26 94.8,82.01 ; U1000.AE26 94.15,82.01 94.47,81.69 U1000.AD26 94.8,82.01 ; 97.72,72.59 U1000.K21 ; U1000.C7 107.23,68.45 ; U1000.C7 107.15,67.71 ; U1000.T9 105.19,76.82 ; v1(98.7,80.06) U1000.AA20 ; v1(159.82,162.43) J5000.11 v1(159.82,159.12) ; 104.87,79.74 v1(105.2,80.06) U1000.AB10 ; v1(104.55,80.71) 104.55,80.71 104.87,81.04 ; v1(136.62,158.24) ED5007.8 ED5007.3 v1(136.62,156.2) ; 100.97,81.69 100.95,81.69 v1(100.63,82.01) ; 122.22,69.19 v1(122.55,69.51) ; U1000.AC11 103.9,80.71 ; v1(103.9,82.01) U1000.AE11 ; U1000.AL4 v1(108.45,86.56) ; v1(103.9,68.36) 103.57,68.04 ; v1(96.1,78.11) U1000.W23 96.42,78.44 96.1,78.76 ; U3800.C8 v1(124.25,79.86) ; U3801.A3 111.6,56.84 v1(111.93,57.16) ; U1000.R25 v1(94.8,75.51) ; 109.42,72.59 U1000.K3 v1(109.1,72.26) ; C1104.2 151.31,93.47 v2(151.25,93.41) ; U1000.AK29 92.52,85.59 v1(92.85,85.26) ; U1000.AK29 v1(92.2,85.91) ; U1000.C23 v1(96.1,68.36) ; v1(96.1,68.36) 96.42,68.69 96.42,68.69 ; v1(96.1,68.36) U1000.D24 ; v1(101.3,78.11) U1000.V15 ; 107.15,67.71 107.47,68.04 ; U2002.2 41.22,51.76 v2(41.43,51.55) ; 100,79.41 99.67,79.09 ; 100,79.41 U1000.AA18 ; 104.87,77.14 105.19,76.82 ; 100.33,83.63 100,83.96 ; U1000.AN31 v1(90.9,87.86) ; U1000.AN31 v1(91.55,87.86) ; U1000.U23 96.42,77.14 ; 96.42,77.14 96.1,76.81 ; 104.87,81.04 U1000.AC10 ; v1(102.6,71.61) U1000.J13 103.25,71.61 ; v1(102.6,71.61) U1000.J14 101.95,71.61 ; v1(102.6,71.61) U1000.H14 ; 105.85,72.91 105.52,73.24 ; v1(111.17,73.24) U1000.L1 ; U1000.AE7 107.15,82.66 ; U1000.AE7 106.5,82.66 ; v1(100.76,55.61) 100.76,55.61 100.5,55.35 U3801.V5 ; U1000.L19 v1(98.7,73.56) ; U1000.L19 v1(99.35,73.56) U1000.M18 ; v1(40.21,105.2) 40.41,105.4 C6814.2 40.54,105.79 40.96,105.79 ; v1(109.75,67.71) 109.42,68.04 ; 109.42,68.04 v1(109.75,68.36) 109.42,68.69 U1000.D3 ; 100,83.96 100.32,84.29 100,84.61 ; 101.95,71.61 U1000.H14 ; U1000.N32 v1(90.25,74.21) U1000.M32 ; 103.9,82.66 U1000.AE11 ; v1(94.8,75.51) 94.47,75.84 U1000.R26 ; U1000.T23 96.42,76.49 ; 96.42,76.49 96.1,76.81 ; v1(129.92,76.66) 129.91,76.66 ; v1(133.62,158.24) ED5006.8 ED5006.3 v1(133.62,156.17) ; U1000.T33 v1(89.6,76.16) 89.92,75.84 U1000.R33 89.27,75.19 U1000.P34 88.93,75.19 88.92,75.2 v1(88.67,75.2) ; v1(140.36,162.3) J5001.17 v1(140.36,159.12) ; v1(126.7,79.26) U3800.D11 ; U1000.AE15 101.3,82.66 ; v1(124,67.56) 124.29,67.56 U3800.AB8 ; 90.57,69.34 U1000.E32 ; 90.57,69.34 v1(90.25,69.66) ; v1(63.42,80.74) 63.4,80.76 63.3,80.77 63.05,81.03 U4000.J5 ; U3801.C8 v1(109.86,53.23) ; 128.9,70.15 128.16,70.15 U3800.V12 127.47,70.84 v1(127.45,70.84) ; U1000.D31 v1(90.9,68.36) U1000.C32 ; v1(120.19,79.88) U3800.D2 v1(119.4,79.91) 119.35,79.91 U3800.C1 ; U3801.D9 v1(109.93,51.71) ; ED5010.2 v1(140.7,155.8) ; U3801.E12 108.95,49.24 108.99,49.21 108.99,49.14 v1(109.01,49.11) ; U3800.G1 118.82,77.84 v1(118.67,77.84) 118.59,77.77 117.83,77.77 v1(117.4,77.34) ; v1(96.75,69.01) 96.42,68.69 ; U1000.AB10 104.87,80.39 105.2,80.71 U1000.AC10 ; U1000.C32 v1(90.25,68.36) ; 103.25,71.61 U1000.H12 ; U1000.C30 v1(91.55,67.71) ; v1(117.4,72.38) 117.4,72.26 117.7,71.95 118.86,71.95 U3800.T1 ; U3800.AB10 v1(126.22,67.3) ; U1000.B24 v1(95.45,67.06) ; U1000.H14 101.95,70.96 U1000.G15 101.62,70.64 v1(101.95,70.31) ; v1(110.51,55.61) 110.51,55.49 U3801.C5 ; ED5011.2 v1(139.5,155.77) ; 122.22,67.89 122.43,67.68 v1(122.6,67.68) ; v1(155.32,162.34) J5000.2 v1(155.32,159.12) ; v1(121.08,79.88) U3800.D4 ; U3800.D4 122.22,80.24 v1(122.6,79.86) ; U3801.T10 v1(102.14,50.9) ; U1000.AF13 v1(103.25,83.31) ; v1(120.29,72.12) U3800.T3 121,71.41 v1(121,71.39) ; ED5009.2 v1(141.96,155.74) ; U3801.A10 v1(111.88,50.91) ; U1000.AF30 91.55,83.31 ; U1000.N29 v1(92.2,74.21) U1000.M29 ; v1(81.44,155.66) ED5500.3 ED5500.8 v1(83.5,155.66) ; U1000.A1 v1(111.05,66.41) ; v1(137.36,159.12) J5001.11 v1(137.36,162.3) ; v1(97.5,57.04) 97.7,56.84 U3801.AB3 ; v1(100.35,88.59) 100.35,88.22 U1000.AP17 ; U3801.P1 103.1,58.4 v1(103.45,58.05) 103.75,57.75 U3801.N2 ; U1000.H12 v1(103.9,70.96) ; U3801.AB8 v1(98.25,53.18) ; U3800.G10 126.3,77.64 126.49,77.45 v1(126.6,77.45) ; v1(65.48,78.45) 65.59,78.56 65.59,79.06 65.6,79.07 v1(65.6,79.7) 65.6,80.1 v1(65.52,80.18) ; U1000.V30 v1(91.55,78.11) ; v1(102.87,57.19) 102.87,57.07 U3801.P3 103.1,56.69 103.41,56.38 v1(103.42,56.38) 103.44,56.36 103.44,56.35 U3801.N4 103.75,55.84 v1(103.55,55.64) ; v1(162.82,159.12) J5000.17 162.82,162.17 v1(162.76,162.22) ; U3800.T10 v1(126.51,72.08) ; v1(105.98,55.71) 105.98,55.76 U3801.K4 ; ED5003.2 v1(163.91,155.48) ; U3800.A3 v1(121.1,82.01) ; U3801.T8 v1(101.4,52.44) ; U1000.U34 v1(88.95,76.81) ; U3800.J1 119.17,76.34 v1(119.5,76.01) U3800.K2 ; v1(118.74,73.37) U3800.P1 ; U3801.T5 v1(102.17,55.6) ; U3801.G10 v1(107.35,50.93) ; v1(107.97,58.12) U3801.G1
  TOP w0.305: C8326.2 90.58,35.27 v1(91.23,35.93) ; Q9001.2 v1(149.51,7.74) ; v2(21.16,118.31) 20.7,118.76 U8402.2 ; v1(137.1,21.12) Q9500.2 v1(136.29,20.24) ; v1(28.56,110.79) 28.56,109.63 v1(28.72,109.46) 28.83,109.36 28.83,106.93 v1(29.28,106.47) 29.52,106.24 v1(29.52,105.7) v1(29.52,104.52) v1(34.21,99.82) ; R9510.2 v1(136.48,19.44) ; U8200.5 v1(42.95,31.77) ; Q9000.2 v1(136.81,9.57) ; U8200.13 v1(38.95,31.69) ; v1(75.87,79.11) 74.6,79.11 73.45,77.97 v1(72.92,77.97) ; U8300.5 v1(100.35,31.77) ; C8228.2 v1(33.17,35.55) ; v1(33.4,92.19) v1(33.4,93.82) v1(33.4,95.54) v1(33.4,96.32) v1(33.4,97.38) v1(33.4,99.41) v1(31.77,101.03) v1(30.86,101.95) v1(29.74,103.07) v1(28.52,104.28) v1(27.75,105.06) v1(27.75,105.91) v1(27.75,107.23) v1(27.75,109.06) v1(27.75,111.44) ; Q9002.2 v1(143.16,7.87) ; U8300.13 v1(96.35,31.69)